# Altium PCB PCB1.PcbDoc (part 3 of 9) (continued)
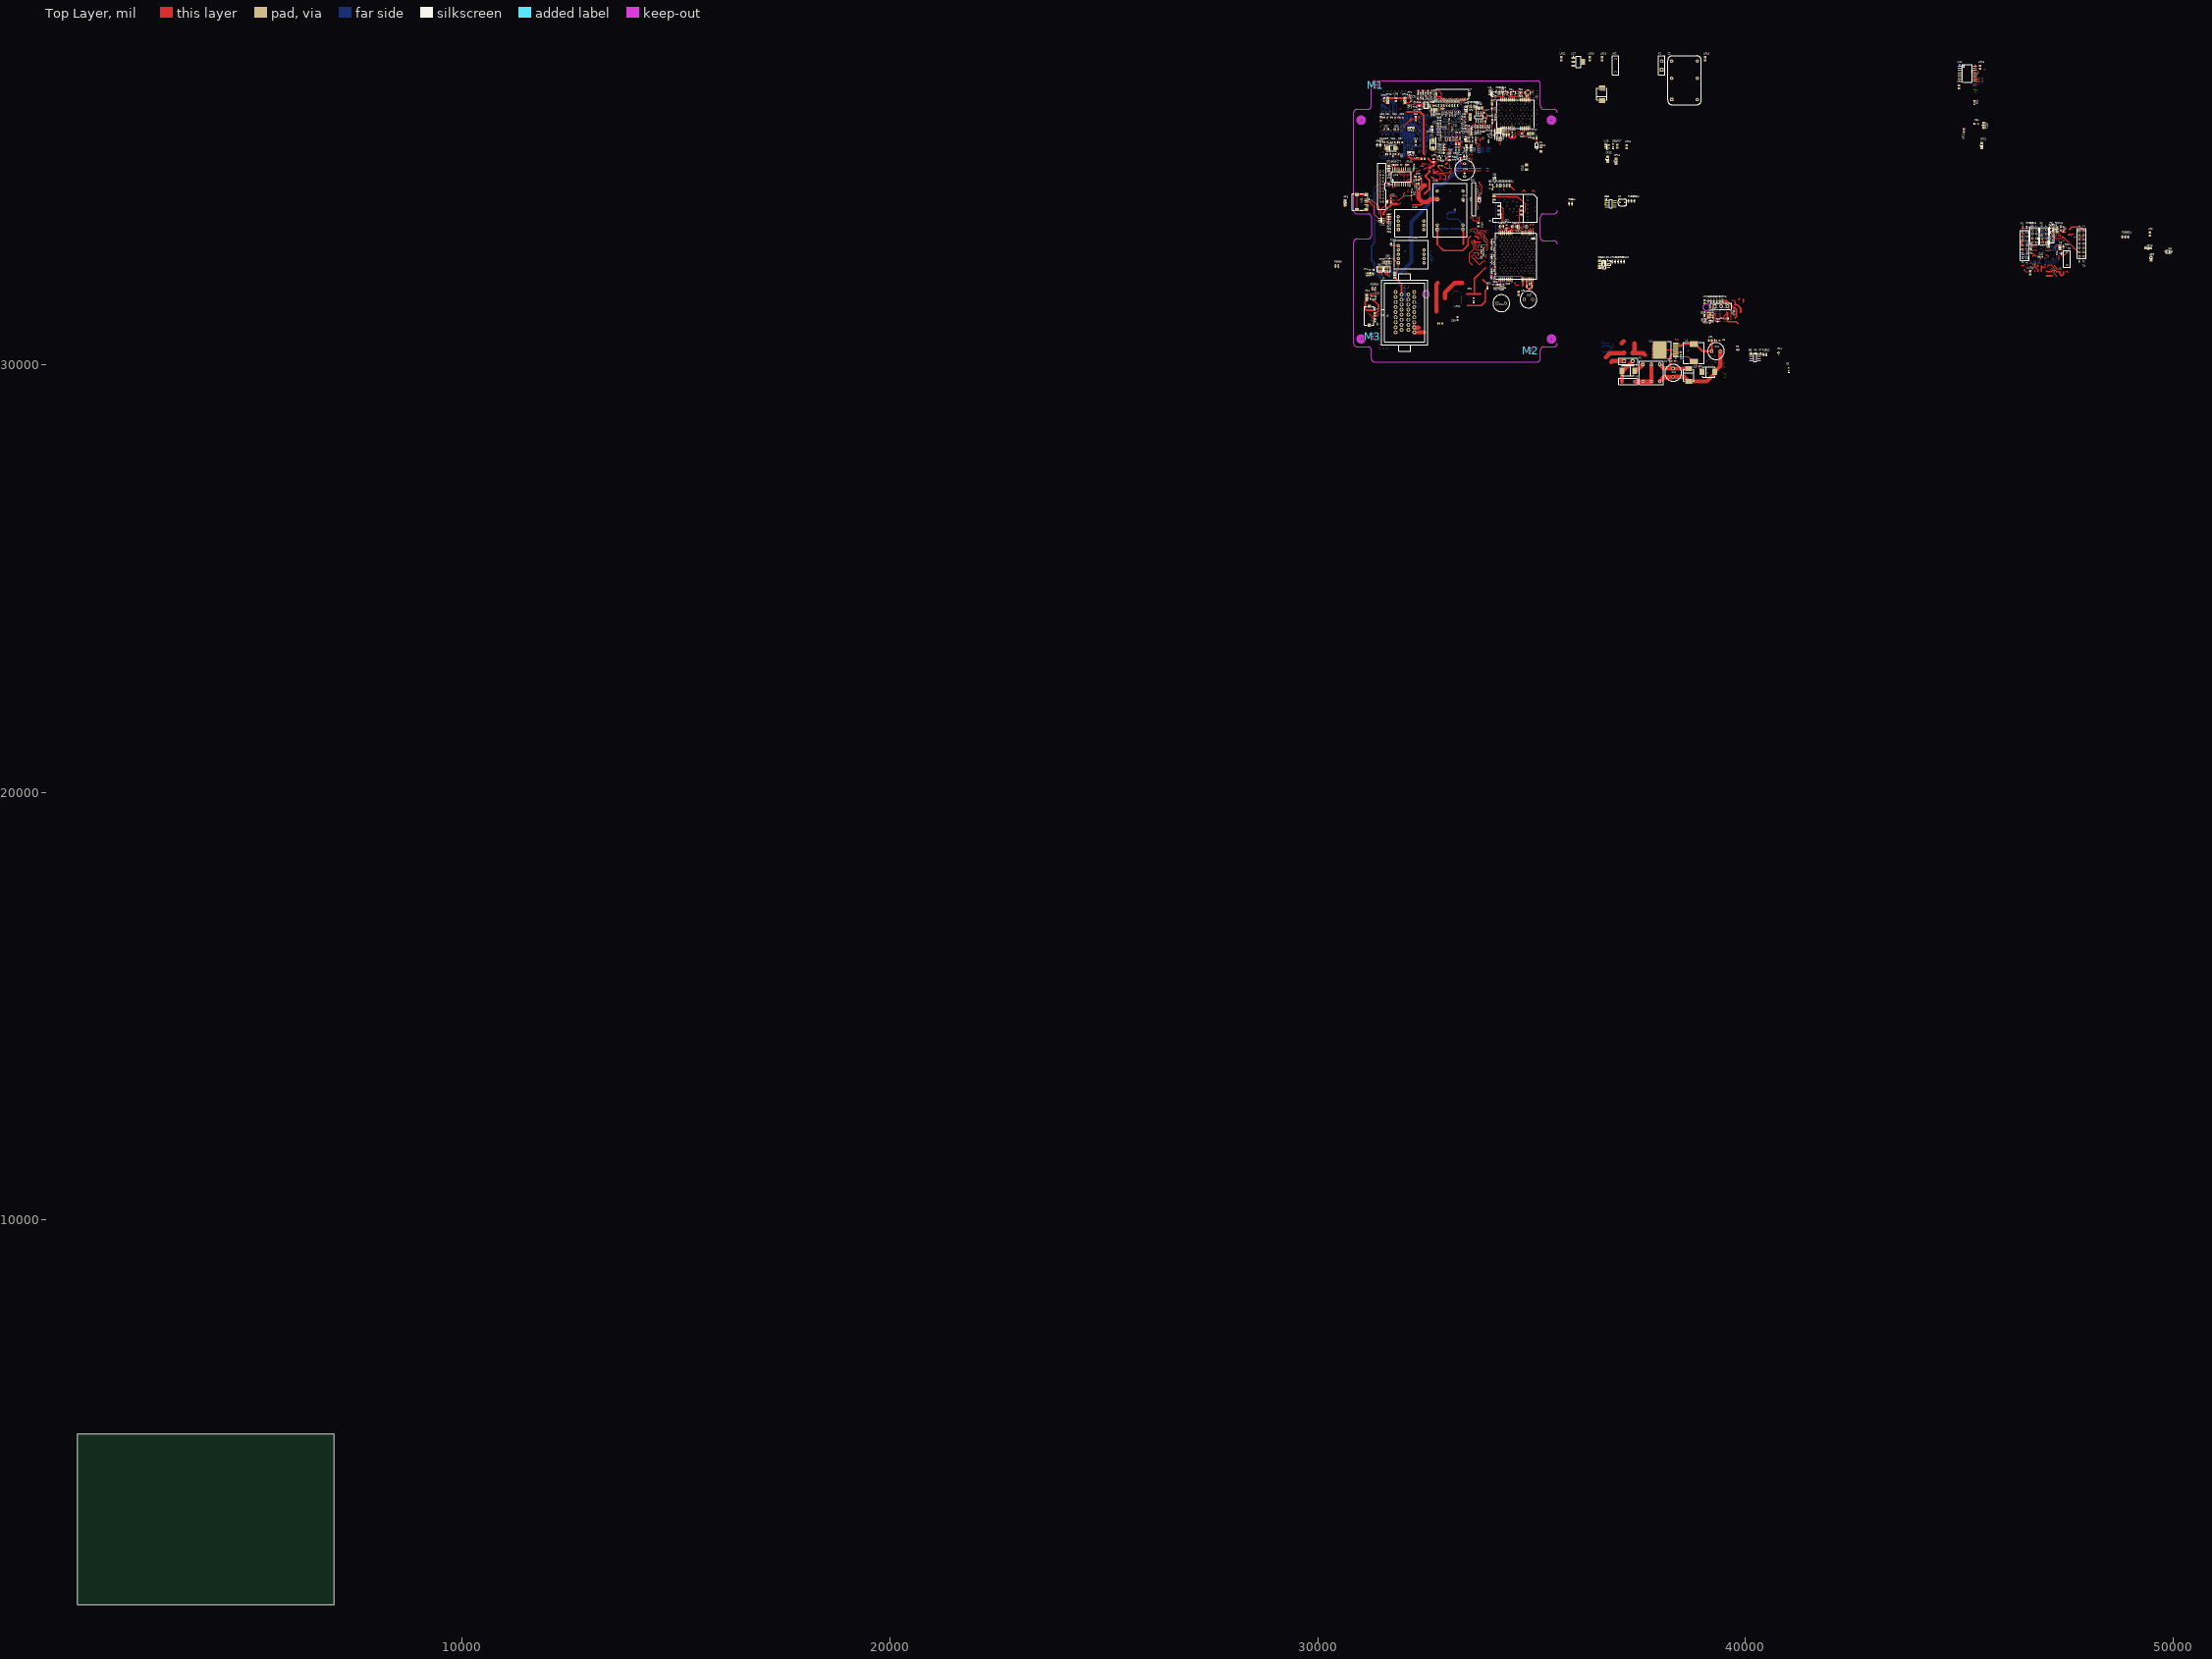
[diagram p0: Top Layer view]
## Nets (pads, with @x,y where several pads share a name; then routed paths per layer and width w, separated by ;. In a path a pad name is that pad's centre, name@x,y a point inside that pad or via, vN(x,y) a via of type N, cw(c..) or ccw(c..) an arc to the next point about the centre after c; other vN are vias at no path point) (continued)
; 34418.59,33271.79 v2(34418.59,33306.24) ; v2@34425.88,36403.1 ccw(c34417.35,36394.57) 34417.35,36406.64 ccw(c34417.35,36418.71) v2@34425.88,36410.17 ; 34435.32,36323.96 34484.53,36274.75 34665.64,36274.75 34711.9,36321.01 34713.87,36321.01 34786.66,36248.21 34786.66,36202.9 ; 34441.55,33205.85 cw(c34441.55,33190.42) v2@34452.46,33201.33 ; v2@34459.53,33201.33 cw(c34470.44,33190.42) 34470.44,33205.85 ; 34460.91,33087.74 34460.91,33134 34501.27,33174.35 34524.89,33174.35 34557.37,33206.83 34548.51,33206.83 34490.44,33264.91 ; 34504.22,33087.74 34504.22,33132.03 34529.81,33157.62 34671.54,33157.62 34717.8,33203.88 v2(34751.27,33203.88) ; 34540.64,36321.01 34540.64,36366.28 ; v2@34543.99,31940.69 ccw(c34535.46,31949.22) 34547.53,31949.22 ccw(c34559.6,31949.22) v2@34551.06,31940.69 ; v2(34547.53,31937.15) 34547.53,32005.06 ; 34557.37,33265.89 34599.69,33308.21 34675.48,33308.21 34717.8,33265.89 ; v2(34609.54,33229.47) 34643,33229.47 ; v2@34613.07,33225.94 cw(c34621.61,33217.4) 34621.61,33229.47 cw(c34621.61,33241.54) v2@34613.07,33233.01 ; 34615.44,36321.01 34646.94,36352.5 34739.46,36352.5 34770.95,36321.01 34829.97,36261.99 34829.97,36202.9 ; v2@34620.76,31916.88 cw(c34612.23,31908.35) 34624.3,31908.35 cw(c34636.37,31908.35) v2@34627.83,31916.88 ; 34624.3,31883.02 v2(34624.3,31920.42) ; 34625.28,31886.95 34640.05,31872.19 34704.02,31872.19 ; v2@34705.99,36254.98 cw(c34705.99,36242.91) 34714.53,36251.45 cw(c34723.06,36259.98) v2@34710.99,36259.98 ; v2(34705.99,36259.98) 34743.35,36222.62 34743.35,36202.9 ; 34711.9,36387.94 34696.15,36403.68 34578.04,36403.68 34540.64,36366.28 ; 34717.8,33255.06 34717.8,33265.89 ; v2@34747.73,33200.35 ccw(c34739.2,33191.81) 34739.2,33203.88 ccw(c34739.2,33215.95) v2@34747.73,33207.42 ; 34768,33714.91 34717.8,33664.71 34717.8,33265.89 ; 34843.79,35377.11 34911.7,35377.11 34916.62,35382.03 ; v2@34852.06,33162.94 cw(c34817.39,33128.27) 34866.43,33128.27 ; v2@34857.2,33161.74 cw(c34860.08,33153.25) 34866.42,33159.59 ; v2@34857.57,33168.45 34866.43,33159.59 34866.43,33087.74 ; v2@34859.13,33170.02 cw(c34841.53,33152.41) 34866.43,33152.41 ; 34899.89,33206.83 34899.89,33188.13 34953.04,33134.98 34953.04,33087.74 ; v2@34975.09,33292.87 cw(c34966.56,33284.33) 34978.63,33284.33 cw(c34990.7,33284.33) v2@34982.17,33292.87 ; 34978.63,33265.89 v2(34978.63,33296.4) ; v2@35036.12,33295.82 cw(c35027.58,33287.28) 35039.65,33287.28 cw(c35051.72,33287.28) v2@35043.19,33295.82 ; 35039.65,33265.89 v2(35039.65,33299.35) ; 38346.18,30616.08 38368.82,30593.44 38444.61,30593.44 ; 39024.83,31072.2 39035.66,31083.02 39035.66,31142.08 ; 39062.24,31220.82 39119.32,31163.73 39136.06,31163.73 ; 39083.89,31022 39083.89,31072.2 39092.75,31081.06 v2@39118.34,31081.06 ; v2(39098.65,31144.05) 39136.06,31144.05 39163.61,31144.05 39181.33,31161.76 ; 39101.52,31081.06 ccw(c39101.52,31099.85) v2@39114.8,31086.56 ; v2@39102.19,31140.51 cw(c39110.73,31131.98) 39110.73,31144.05 cw(c39110.73,31156.12) v2@39102.19,31147.58 ; v2@39118.34,31215.82 cw(c39118.34,31203.75) 39126.87,31212.28 cw(c39135.41,31220.82) v2@39123.34,31220.82 ; v2(39118.34,31220.82) 39136.06,31203.1 ; 39123.26,30987.55 39155.54,31019.83 39155.54,31022.98 ; 39136.06,31164.72 39137.04,31164.72 ; 39136.06,31183.42 39173.46,31183.42 39177.39,31179.48 ; v2(39151.8,31502.31) 39184.28,31502.31 ; v2@39155.34,31498.78 cw(c39163.87,31490.24) 39163.87,31502.31 cw(c39163.87,31514.39) v2@39155.34,31505.85 ; 39162.63,31117.47 39162.63,31089.91 39221.69,31030.86 39240.39,31030.86 ; 39162.63,31229.68 39162.63,31210.98 39186.25,31187.35 ; 39182.32,31117.47 39199.05,31117.47 v2(39199.05,31084.01) ; v2@39195.51,31087.54 ccw(c39186.98,31096.08) 39199.05,31096.08 ccw(c39211.12,31096.08) v2@39202.58,31087.54 ; 39221.69,31117.47 39323.06,31016.09 39325.03,31016.09 ; 39221.69,31229.68 39221.69,31239.52 39241.37,31259.2 39329.95,31259.2 ; 39248.26,31183.42 39270.9,31183.42 v2(39291.57,31162.75) 39314.21,31140.11 39327,31140.11 ; 39248.26,31203.1 39327.98,31203.1 ; v2@39286.57,31162.75 ccw(c39274.5,31162.75) 39283.03,31171.28 ccw(c39291.57,31179.82) v2@39291.57,31167.75 ; v2@39291.57,31157.75 cw(c39291.57,31145.68) 39300.1,31154.21 cw(c39308.64,31162.75) v2@39296.57,31162.75 ; 39327,31138.14 39330.94,31138.14 ; v2(45347.71,37008.7) 45404.8,37008.7 ; v2@45351.24,37005.17 cw(c45359.78,36996.63) 45359.78,37008.7 cw(c45359.78,37020.77) v2@45351.24,37012.24 ; 46451.2,32951.32 v2(46506.51,32951.32) ; 46451.2,33001.32 v2(46508.68,33001.32) ; 46451.2,33051.32 v2(46510.84,33051.32) ; 46451.2,33151.32 46493.52,33151.32 v2(46505.33,33163.13) ; 46451.2,33201.32 46554.35,33201.32 ; 46454.55,32717.67 cw(c46446.02,32709.13) 46458.09,32709.13 cw(c46470.16,32709.13) 46461.62,32717.67 ; 46458.09,32532.62 46461.63,32536.17 v2(46531.91,32536.17) ; 46458.09,32582.62 46460.25,32580.46 v2(46526,32580.46) ; 46458.09,32682.62 46458.09,32721.2 ; 46469.9,33101.13 46470.88,33100.14 v2(46515.17,33100.14) ; v2@46500.33,33163.13 cw(c46488.26,33163.13) 46496.8,33154.6 cw(c46505.33,33146.06) v2@46505.33,33158.13 ; v2@46502.98,32947.79 ccw(c46494.44,32939.25) 46494.44,32951.32 ccw(c46494.44,32963.39) v2@46502.98,32954.86 ; v2@46505.14,32997.79 ccw(c46496.61,32989.25) 46496.61,33001.32 ccw(c46496.61,33013.39) v2@46505.14,33004.86 ; v2@46507.31,33047.79 ccw(c46498.77,33039.25) 46498.77,33051.32 ccw(c46498.77,33063.39) v2@46507.31,33054.86 ; v2@46511.64,33096.61 ccw(c46503.1,33088.07) 46503.1,33100.14 ccw(c46503.1,33112.21) v2@46511.64,33103.68 ; v2@46522.46,32576.92 ccw(c46513.93,32568.39) 46513.93,32580.46 ccw(c46513.93,32592.53) v2@46522.46,32583.99 ; v2@46524.03,32220.14 cw(c46524.03,32208.07) 46532.57,32216.61 cw(c46541.1,32225.14) v2@46529.03,32225.14 ; v2(46524.03,32225.14) 46562.42,32186.76 46589.98,32186.76 ; v2@46528.37,32532.63 ccw(c46519.83,32524.09) 46519.83,32536.17 ccw(c46519.83,32548.24) v2@46528.37,32539.7 ; v2@46547.65,33154.28 v2(46549.62,33152.31) 46550.61,33151.32 46587.02,33151.32 ; v2@46553.16,33155.84 ccw(c46564.07,33166.75) 46564.07,33151.32 ; v2@46593.33,32266.08 ccw(c46577.67,32281.74) 46599.82,32281.74 ; v2@46597.85,32259.59 46599.82,32261.56 46599.82,32294.04 ; v2@46642.54,33184.21 cw(c46634.01,33175.67) 46646.08,33175.67 cw(c46658.15,33175.67) v2@46649.61,33184.21 ; v2@46642.54,33191.28 ccw(c46634.01,33199.81) 46646.08,33199.81 ccw(c46658.15,33199.81) v2@46649.61,33191.28 ; 46646.08,33228.09 v2(46646.08,33187.74) 46646.08,33151.32 46646.08,33145.42 46651,33140.5 ; v2(46647.06,32763.53) 46678.56,32763.53 46681.51,32766.48 ; v2@46650.6,32759.99 cw(c46659.13,32751.46) 46659.13,32763.53 cw(c46659.13,32775.6) v2@46650.6,32767.06 ; v2@46651.98,32719.16 cw(c46651.98,32707.09) 46660.52,32715.62 cw(c46669.06,32724.16) v2@46656.98,32724.16 ; v2(46651.98,32724.16) 46681.51,32694.63 46681.51,32682.82 ; 46664.78,32186.76 46672.65,32194.63 ; 46670.68,32196.6 46741.55,32267.46 v2(46741.55,32360.97) ; v2@46717.93,33105.06 46733.68,33120.81 ; v2@46723.91,33103.09 cw(c46743.11,33103.09) 46729.54,33116.67 ; v2@46738.02,32357.43 cw(c46729.48,32348.9) 46741.55,32348.9 cw(c46753.62,32348.9) v2@46745.09,32357.43 ; v2@46771.48,32224.56 cw(c46762.94,32216.02) 46775.02,32216.02 cw(c46787.09,32216.02) v2@46778.55,32224.56 ; v2@46772.46,32383.02 cw(c46763.93,32374.49) 46776,32374.49 cw(c46788.07,32374.49) v2@46779.54,32383.02 ; 46775.02,32184.79 v2(46775.02,32228.09) ; v2(46776,32386.56) 46776,32288.13 46852.77,32211.36 46852.77,32181.83 ; 46849.82,32184.79 46849.82,32200.54 ; 46851.79,32315.69 46848.83,32318.65 46854.74,32318.65 ; v2@46870.89,32988.34 cw(c46862.35,32979.8) 46874.43,32979.8 cw(c46886.5,32979.8) v2@46877.96,32988.34 ; 46874.43,32953.49 v2(46874.43,32991.87) ; v2@46890.57,32500.33 ccw(c46882.04,32508.87) 46894.11,32508.87 ccw(c46906.18,32508.87) v2@46897.65,32500.33 ; v2(46894.11,32496.8) 46894.11,32533.21 ; v2(46911.83,32985.97) 46911.83,32983.02 46941.35,32953.49 ; v2@46916.83,32985.97 ccw(c46936.03,32985.97) 46922.45,32972.39 ; 46925.61,32318.65 46963.01,32281.24 47019.11,32281.24 47019.11,32340.3 47025.02,32346.2 ; v2(46928.56,32502.7) 46930.53,32502.7 46961.04,32533.21 ; v2@46928.56,32507.7 ccw(c46928.56,32524.52) 46940.45,32512.63 ; v2(47033.87,32677.9) 47086.04,32677.9 47092.93,32684.79 v2(47140.17,32684.79) ; v2@47037.41,32674.36 cw(c47045.95,32665.83) 47045.95,32677.9 cw(c47045.95,32689.97) v2@47037.41,32681.43 ; 47086.04,32281.24 47084.07,32283.21 47084.07,32346.2 47151,32346.2 47151,32339.32 47228.76,32261.56 47228.76,32226.13 47241.55,32213.33 47276,32213.33 ; 47087.02,32775.34 47098.83,32763.53 v2(47139.19,32763.53) ; 47087.02,32885.57 v2(47130.33,32842.27) ; v2(47090.96,33120.81) 47128.36,33120.81 ; v2@47094.5,33117.28 cw(c47103.03,33108.74) 47103.03,33120.81 cw(c47103.03,33132.88) v2@47094.5,33124.35 ; v2@47124.83,33219.64 cw(c47116.29,33211.1) 47128.36,33211.1 cw(c47140.43,33211.1) v2@47131.9,33219.64 ; v2@47125.33,32842.27 ccw(c47113.26,32842.27) 47121.8,32850.8 ccw(c47130.33,32859.34) v2@47130.33,32847.27 ; 47128.36,33115.89 47128.36,33099.16 47262.22,32965.3 47406.91,32965.3 47416.75,32975.14 47416.75,33004.67 47785.84,32635.57 47818.32,32635.57 ; 47128.36,33187.74 v2(47128.36,33223.17) ; 47132.3,33121.8 47140.17,33129.67 47201.2,33129.67 ; v2@47135.65,32759.99 ccw(c47127.12,32751.46) 47127.12,32763.53 ccw(c47127.12,32775.6) v2@47135.65,32767.06 ; v2@47136.64,32681.25 ccw(c47128.1,32672.72) 47128.1,32684.79 ccw(c47128.1,32696.86) v2@47136.64,32688.32 ; v2(47138.2,32250.73) 47181.51,32250.73 ; v2@47141.74,32247.2 cw(c47150.28,32238.66) 47150.28,32250.73 cw(c47150.28,32262.8) v2@47141.74,32254.27 ; v2(47248.44,32753.69) 47296.67,32801.91 47358.68,32801.91 47426.59,32801.91 47440.37,32788.13 ; v2@47248.44,32758.68 ccw(c47248.44,32770.76) 47256.98,32762.22 ccw(c47265.51,32753.69) v2@47253.44,32753.69 ; v2@47261.64,33020.02 ccw(c47253.1,33028.55) 47265.17,33028.55 ccw(c47277.24,33028.55) v2@47268.71,33020.02 ; 47264.19,33129.67 47269.11,33134.59 47341.94,33134.59 47341.94,33004.67 ; v2(47265.17,33016.48) 47265.17,33051.91 ; v2(47300.61,32901.32) 47333.09,32901.32 47341.94,32910.18 ; v2@47304.14,32897.79 cw(c47312.68,32889.25) 47312.68,32901.32 cw(c47312.68,32913.39) v2@47304.14,32904.86 ; v2@47333.09,33186.76 47350.8,33186.76 47383.28,33154.28 47383.28,33138.53 47422.65,33099.16 47476.79,33099.16 47495.49,33117.86 ; v2@47335.64,33191.28 ccw(c47346.55,33202.19) 47346.55,33186.76 ; 47336.04,32474.16 47336.04,32571.6 47339.98,32575.53 ; v2@47340.96,32730.97 cw(c47340.96,32718.9) 47349.5,32727.43 cw(c47358.03,32735.97) v2@47345.96,32735.97 ; v2(47340.96,32735.97) 47358.68,32718.25 47358.68,32703.49 47414.78,32703.49 47440.37,32729.08 ; 47400.02,32574.55 47466.55,32574.55 47526,32634 ; 47416.75,32910.18 v2(47455.13,32910.18) ; v2@47451.6,32906.65 ccw(c47443.06,32898.11) 47443.06,32910.18 ccw(c47443.06,32922.25) v2@47451.6,32913.72
  Top Layer w12: 31811.28,34583.65 31811.28,34680.69 31878.21,34680.69 ; 32119.38,36307.23 32119.38,36253.09 32124.3,36248.17 ; v2@32234.54,34408.48 ccw(c32234.54,34424.81) 32246.08,34413.26 ; v2(32234.54,34416.48) 32249.3,34416.48 32319.16,34486.34 32319.16,34541.91 32377.23,34541.91 32407.74,34572.42 ; v2@32234.54,34420.48 ccw(c32234.54,34465.78) 32266.57,34433.75 ; 32752.23,34498.61 32801.44,34449.39 32824.08,34449.39 ; 32780.86,35876.28 v1(32826.75,35876.28) ; 32803.86,35899.28 v1(32826.75,35899.28) ; 32805.86,35851.28 v1(32826.75,35851.28) ; v4@32936.14,36248.99 cw(c32926.59,36239.44) 32940.09,36239.44 ; 32940.09,36205.72 v4@32940.09,36249.99 ; 32940.09,36238.69 cw(c32954.65,36238.69) v4@32944.35,36248.99 ; 33068.17,34419.87 33132.15,34483.84 33132.15,34594.08 33121.32,34604.91 33098.71,34604.91 33095.73,34604.91 ; 33378.24,35104.47 33380.2,35102.5 v2(33380.2,35058.21) ; 33466.79,35229.91 33555.38,35229.91 ; 33466.79,35328.33 33548.49,35328.33 ; 33550.46,34814.11 ccw(c33568.19,34814.11) v2@33555.65,34801.57 ; v2(33561.31,34807.23) 33550.46,34818.08 33550.46,34843.1 ccw(c33597.16,34843.08) v2@33564.14,34810.06 ; v2(33573.12,34752.11) 33613.45,34792.44 33613.45,34843.1 ; v2(33586.5,33105.06) 33586.5,33145.81 33586.5,33175.93 33604.61,33194.04 33714.85,33194.04 33731.19,33177.7 33731.19,33145.81 33731.19,33125.54 33756.19,33100.54 33843.79,33100.54 33896.94,33047.39 33896.94,32902.7 33904.81,32894.83 33933.35,32894.83 v2(33933.35,32862.35) ; 33586.5,33421.4 v2(33586.5,33462.35) ; 33617.41,35496.2 33617.41,35561.17 33617.41,35619.24 v2(33646.94,35619.24) ; 33618.4,35561.17 v2(33649.88,35561.17) ; 33636.5,33145.81 33707.37,33074.94 33782.76,33074.94 33838.86,33018.84 33838.86,32950.93 ; 33654.42,32559.2 33654.42,32611.95 33668.59,32626.13 33739.46,32626.13 33754.42,32611.17 33754.42,32559.2 ; 33731.19,33421.4 v2(33731.19,33461.17) ; 33754.42,32748.17 33754.42,32798.57 33773.91,32818.06 33933.35,32818.06 33971.74,32818.06 33972.72,32819.04 ; 33764.06,32950.93 33773.91,32960.77 33773.91,33024.75 ; 33781.19,33145.81 33885.13,33145.81 33933.35,33097.58 ; 33855.55,35704.09 33924.25,35704.09 33925.23,35705.08 ; v2@33897.8,32752.23 cw(c33914.13,32735.9) 33914.13,32759 ; v2@33897.92,32754.08 33902.84,32759 33933.35,32759 ; 33933.35,33016.87 33933.35,32953.88 33948.12,32953.88 33972.72,32929.28 33972.72,32819.04 ; 33937.29,32673.37 33972.72,32708.8 33972.72,32819.04 ; 33954,33134.98 33954,33156.64 ; 34074.1,32077.9 34074.1,32150.38 34075.09,32151.36 ; 34075.09,32238.37 34075.09,32257.03 v2(34108.55,32290.5) ; 34075.09,32579.98 34075.09,32592.66 v2(34110.52,32628.09) ; 34075.09,32755.06 34075.09,32834.59 ; 34075.09,32921.6 34075.09,32930.26 v2(34109.54,32964.71) ; 34076.07,32424.35 34076.07,32491.99 ; 34236.5,33614.91 34236.5,33602.5 v2(34264.06,33574.94) 34305.4,33533.61 34305.4,33305.26 34266.03,33265.89 ; 34287.69,31817.99 34287.69,32005.06 ; 34348.71,31881.05 34364.46,31881.05 34384.14,31861.36 ; v2(34460.91,31940.1) 34460.91,32005.06 ; v2(34504.22,31937.15) 34504.22,32005.06 ; v2(34643,33182.23) 34643,33203.88 ; 34643,33255.06 v2(34643,33280.65) ; 34717.8,33229.47 34718.21,33229.88 34756.19,33229.88 34767.16,33240.85 34769.09,33240.85 ; 34978.63,33206.83 34978.63,33166.48 34996.35,33148.76 34996.35,33087.74 ; 35039.65,33087.74 35039.65,33206.83 ; 39334.94,31502.31 39347.67,31515.05 ; 39385.07,31261.17 v2(39412.63,31261.17) ; 39386.06,31140.11 v2(39415.58,31140.11) ; 39386.06,31199.17 v2(39413.61,31199.17) ; v2(39476.61,31063.34) 39498.26,31084.99 39516.96,31084.99 ; v2(39492.35,31017.08) 39525.82,31017.08 ; 39684.28,31521.02 39741.37,31521.02 39763.02,31499.36 ; v2@46809.46,32340.3 46833.09,32340.3 46854.74,32318.65 ; v2(46811.43,32296.01) 46839.98,32296.01 46845.88,32301.91 ; v2@46814.26,32344.11 ccw(c46823.47,32353.32) 46823.47,32340.3
  Top Layer w20: 31125.28,31635.97 v4(31125.28,31681.24) ; v1(31128.24,32106.44) 31153.83,32106.44 ; v1(31128.24,32134) 31179.42,32134 ; v1(31128.24,32159.59) 31154.81,32159.59 ; 31140.05,33808.21 31212.79,33808.21 31321.15,33699.86 31321.15,33521.8 v2(31401.86,33441.09) 31420.12,33422.82 31449.08,33422.82 ; 31140.05,33839.71 31233.44,33839.71 v2(31275.3,33797.85) ; 31140.05,33871.2 31261.11,33871.2 31435.3,33697.02 31435.3,33523.21 ; 31150.87,31628.09 31150.87,31629.08 v4(31150.87,31681.24) ; 31173.51,31631.05 31179.42,31636.95 v4(31179.42,31681.24) ; v1(31192.21,32224.55) 31224.69,32224.55 ; 31344.77,32274.75 31407.43,32274.75 31575.74,32274.75 31679.42,32274.75 31681.39,32272.78 ; v2(31395.95,33375.14) 31423.51,33347.58 31455.01,33347.58 ; 31449.08,33385.42 31483,33385.42 31490.44,33392.86 31490.44,33634 31627.25,33770.81 31627.25,33818.06 31669.57,33860.38 31810.32,33860.38 31811.31,33859.39 ; 31463.53,33902.37 31463.53,33979.83 31463.53,34058.57 31463.53,34137.31 31463.53,34216.05 31463.53,34294.79 31463.53,34373.53 31463.53,34452.27 31463.53,34531.01 ; 31475.3,35206.3 v1(31475.3,35241.73) ; v1(31478.3,35823.73) 31478.3,35782.2 31482.75,35777.75 ; v1(31538.29,35241.74) 31538.29,35239.28 31570.28,35207.28 ; v1@31540.29,35481.83 cw(c31565.55,35481.83) 31547.69,35499.69 ; v1@31540.29,35823.74 ccw(c31555.9,35823.74) 31544.86,35812.71 ; v1(31541.29,35823.74) 31541.29,35816.28 31570.28,35787.28 ; v1@31541.62,35481.44 31541.62,35493.62 31567.28,35519.28 ; 31543.57,33385.42 v1(31580.56,33385.42) ; v2(31555.84,35041.05) 31600.24,35041.05 31603.63,35044.43 ; v2(31555.84,35071.44) 31615.99,35071.44 ; v2(31555.84,35100.97) 31593.35,35100.97 ; 31562.29,36163.53 31589.85,36135.97 31640.05,36135.97 v1(31640.05,36090.69) ; v1(31614.46,36090.69) 31614.46,36123.17 ; v1(31615.99,34518.29) 31639.61,34518.29 ; v1(31615.99,34565.65) 31633.59,34565.65 ; v1(31632.78,34897.25) 31632.78,34932.78 ; v1(31632.78,35242.32) 31632.78,35208.2 31635.13,35205.85 ; v1(31635.78,35479.32) 31635.78,35517.72 ; 31641.06,34659.57 v4(31641.06,34701.89) ; v1(31664.65,36090.69) 31664.65,36133.02 ; v4(31667.58,34701.89) 31667.58,34651.17 31724.47,34651.17 31752.23,34623.41 31752.23,34680.69 ; 31678.41,34381.48 v1(31711.46,34381.48) ; 31678.41,34448.41 31757.94,34527.94 31757.94,34580.3 31757.94,34617.7 ; 31688.28,33927.31 v1(31688.28,33964.71) ; 31693.22,34664.54 v4(31693.22,34701.89) ; 31695.14,33349 v1(31728.2,33349) ; 31721.74,32855.46 v4(31756.19,32855.46) ; v1@31727.65,35242.27 31744.28,35207.28 31741.96,35207.28 ; v1@31729.27,35823.76 ccw(c31761.77,35823.76) 31738.79,35800.78 ; v1@31729.49,35824.4 ccw(c31738.24,35817.28) 31730.27,35809.3 ; v1(31730.27,35823.76) 31730.27,35809.3 ; 31752.28,35787.28 31730.27,35809.3 ; 31813.28,36248.17 v2(31813.28,36280.65) ; v1(31821.75,34896.29) 31821.75,34926.76 ; 31822.11,35071.44 v1(31887.89,35071.44) ; 31824.28,35518.78 31824.75,35518.31 v1(31824.75,35480.29) ; 31834.93,36240.3 v2(31834.93,36280.65) ; 31837.09,35100.72 v1(31887.89,35100.72) ; 31847.54,35040.69 v1(31887.89,35040.69) ; 31853.6,33766.32 31921.98,33766.32 v2@31934.34,33778.68 ; 31855.6,36251.13 v2(31855.6,36280.65) ; v1(31884.75,35240.28) 31884.75,35236.82 31914.28,35207.28 ; v1(31887.75,35479.28) 31889.06,35480.6 31889.06,35528.68 ; v1(31887.75,35824.28) 31888.28,35824.28 31925.28,35787.28 ; 31903.51,33766.32 ccw(c31903.51,33808.53) v2(31933.35,33778.68) ; v1(32022.92,36088.72) 32022.92,36125.14 ; v1(32045.56,36088.72) 32045.56,36136.95 32148.91,36136.95 32175.48,36163.53 ; 32045.56,36247.19 32158.75,36247.19 32175.48,36230.46 ; 32065.24,36123.17 32070.17,36118.25 v1(32070.17,36088.72) ; v2@32079.02,34959.79 32122.33,34959.79 32123.32,34960.77 ; v1(32079.75,34934.28) 32110.61,34934.28 ; v1(32079.75,34984.28) 32102.75,34984.28 ; v1(32079.75,35515.28) 32102.63,35515.28 ; v1(32079.75,35539.28) 32126.63,35539.28 ; v1(32079.75,35562.28) 32103.63,35562.28 ; 32119.35,34682.66 v4(32149.46,34682.66) ; v2(32119.38,36043.45) 32119.38,36073.96 ; 32120.34,34046.84 v1(32120.34,34080.82) ; v1(32157.94,34163.7) 32157.94,34222.03 ; 32293.75,35210.75 v1@32293.75,35242.11 ; v1@32293.76,35240.84 v1(32294.19,35240.84) ; v1@32297.19,35816.27 v1(32297.19,35823.84) ; 32353.6,36415.85 v4(32405.8,36415.85) 32461.9,36415.85 v4(32523.91,36415.85) 32581.98,36415.85 ; v1(32656.23,34399.31) 32677.88,34399.31 32704.02,34373.17 ; v4(32670.56,36336.76) 32670.56,36367.27 ; 32673.51,36266.87 v1(32673.51,36292.46) ; v1(32675.89,34882.03) v1(32711.9,34918.04) v1(32749.01,34955.15) v1(32777.27,34983.41) 32700.06,35060.62 ; v1(33142.02,35273.76) 33156.35,35259.43 33175.46,35259.43 ; 33225.24,35086.21 33235.49,35086.21 ; 33257.15,34883.02 33257.15,34835.8 33383.16,34709.79 33439.26,34709.79 ; 33259.27,35098.7 33246.35,35085.77 33300.48,35085.77 33301.46,35086.76 ; v1@33298.51,35374.16 33304.42,35374.16 33345.76,35332.82 33345.76,35123.17 33307.37,35084.79 ; 33322.47,35437.22 33320.14,35439.55 33363.04,35439.55 v1(33362.6,35439.12) ; 33339.83,34845.62 33484.94,34845.62 33487.46,34843.1 ; 33339.83,34920.42 v1(33383.16,34920.42) 33395.95,34920.42 ; v1@33382.54,34921.2 cw(c33388.8,34913.27) 33395.95,34920.42 ; v1@33383.16,34921.42 cw(c33383.16,34892.94) 33403.29,34913.08 ; 33414.65,34901.72 33395.95,34920.42 ; v2(33445.17,35876.13) 33445.17,35912.54 ; 33457.41,35131.6 v2(33457.41,35174.79) ; v2(33471.74,35876.13) 33471.74,35926.32 ; 33471.74,36036.56 v1(33519.97,36036.56) ; 33481.56,35127.54 v4(33481.56,35174.79) ; 33482.57,36013.92 v1(33519.97,36013.92) ; 33483.55,36059.2 v1(33519.97,36059.2) ; v2(33498.31,35876.13) 33498.31,35908.61 ; v1(33542.61,35696.01) 33542.61,35748.17 33555.4,35760.97 ; 33545.56,35858.41 v2(33545.56,35903.69) ; v2(33569.18,35903.69) 33569.18,35857.43 33569.18,35844.63 33571.15,35842.66 ; 33570.23,35135.9 v2(33570.23,35178.46) ; 33593.76,35137.96 v4(33593.76,35178.73) ; 33593.79,35862.35 v2(33593.79,35903.69) ; v1(33595.76,35696.01) 33595.76,35741.28 ; 33604.42,32559.2 33604.42,32521.01 33780.8,32344.63 ; v1(33622.3,35278.71) 33622.3,35321.44 ; 33622.33,35132.03 v2(33622.33,35179.28) ; v1(33622.3,35278.71) 33623.29,35277.73 33623.29,35230.89 ; v4(33636.5,33465.3) 33636.5,33421.4 33636.5,33384.59 33649.89,33371.2 33773.91,33371.2 33781.19,33378.49 33781.19,33421.4 v4(33781.19,33477.11) ; 33665.64,32856.44 33704.42,32817.66 33704.42,32748.17 33704.42,32703.49 33725.68,32682.23 33825.09,32682.23 33834.93,32692.07 ; v1(33678.65,35985.59) 33705.55,35985.59 ; v1(33678.65,36033.82) 33717.03,36033.82 ; 33704.42,32559.2 33704.42,32517.46 33730.6,32491.28 33785.72,32491.28 33832.96,32538.53 ; 33705.55,35987.36 33713.64,35995.45 ; 33708.94,35326.91 v1(33759.14,35326.91) ; 33720.76,35988.33 33718.02,35985.59 33705.55,35985.59 ; 33727.65,35279.67 v1(33759.14,35279.67) ; v1(33742.41,34173.37) 33780.8,34173.37 ; v4(33744.38,35511.95) 33744.38,35546.61 ; 33755.2,32591.68 33768.98,32605.46 v2(33798.51,32605.46) 33832.96,32605.46 ; 33785.72,32344.63 33877.25,32436.17 33924.5,32436.17 ; 33806.39,35218.45 33806.39,35277.7 33830.99,35302.31 v4(33877.25,35302.31) ; 33832.96,32752.11 v2(33832.96,32784.59) ; 33838.62,36010.2 33838.62,35987.59 33969.16,35857.06 33969.16,35749 33925.23,35705.08 ; 33843.57,36035.36 v4(33888.85,36035.36) ; 33847.72,35986.36 33851.45,35982.64 v4(33888.85,35982.64) ; 33849.48,36010.2 v4(33888.85,36010.2) ; 33851.66,35277.7 v4(33877.25,35277.7) ; 33851.66,35326.91 v4(33877.25,35326.91) ; 33862.98,35540.52 ccw(c33901.88,35540.52) v4@33874.37,35513.01 ; 33862.98,35546.61 33862.98,35521.85 v4(33873.09,35511.73) ; v1(33925.23,35806.98) 33925.23,35772.01 33855.55,35841.69 33855.55,35893.07 33805.55,35893.07 33755.55,35893.07 33705.55,35893.07 33705.55,35985.59 ; 34074.1,32018.84 34122.15,32018.84 34187.11,32083.8 ; 34079.02,36337.74 34081.98,36334.79 34081.98,36177.5 ; v2(34080.01,31881.05) 34117.41,31881.05 ; 34081.98,32698.96 34094.22,32698.96 34147.92,32645.26 34147.92,32122.99 34187.11,32083.8 ; 34081.98,36090.5 34081.98,36023.76 34082.96,36022.78 ; 34082.96,35862.5 v2(34082.96,35908.61) 34082.96,35963.72 ; 34087.88,32367.27 34139.06,32316.09 ; 34128.24,33943.25 34674.3,33943.25 34855.6,33761.95 34855.6,33602.5 34768,33514.91 ; 34471.74,35385.97 34484.54,35398.76 ; 34547.53,33087.74 v2(34577.06,33087.74) 34690.24,33087.74 34812.29,33209.79 34812.29,33465.69 34769.97,33508.02 ; v2(34800.48,34050.34) 34800.48,34076.91 ; 34801.46,32024.75 34798.51,32027.7 34798.51,32058.21 34772.92,32083.8 34187.11,32083.8 ; v1(34825.09,34050.34) 34825.09,34099.55 ; v2(34846.74,34050.34) 34846.74,34086.76 ; 34863.47,32003.09 34865.93,32005.56 ; 34953.04,32005.06 34953.04,31882.03 34954.02,31881.05 ; 34996.35,32005.06 35027.84,32005.06 ; 35013.08,31993.25 35013.08,32003.09 ; 35025.87,35413.53 v2(35073.12,35413.53) ; 35030.8,35388.92 v2(35073.12,35388.92) ; v2(35031.78,34053.29) 35031.78,34082.82 ; 35035.72,35439.12 v2(35073.12,35439.12) ; v1(35053.43,34053.29) 35053.43,34100.54 ; 35073.12,34080.85 35076.07,34077.9 v2(35076.07,34053.29) ; 38241.85,30091.47 38242.84,30091.47 38280.24,30091.47 ; 38374.17,30500.65 v2(38459.09,30500.65) ; 39386.06,31022 v2(39414.6,31022) ; 39393.99,31502.31 39397.93,31498.38 v5@39449.05,31498.38 ; 39397.36,30576.71 v2(39432.8,30576.71) ; 39407.51,31498.38 cw(c39407.51,31458.8) v5@39435.49,31486.79 ; 39412.26,31498.38 ccw(c39412.26,31531.23) v5@39435.49,31508 ; v2(39739.4,31147.98) 39739.4,31177.51 ; v1(45292.59,36843.35) 45317.2,36843.35 ; v1(45292.59,36899.45) 45317.2,36899.45 ; v1(45318.18,36740) 45411.69,36740 ; v4(45342.98,36540) 45411.69,36540 ; v2(45349.28,36590) 45411.69,36590 ; v1(45350.46,36440) 45411.69,36440 ; 45418.57,36793.15 v4@45451.06,36825.63 ; 45439.56,36814.14 cw(c45451.06,36802.64) v4@45451.06,36818.9 ; v4(45451.06,36820.71) v4@45451.06,36825.63 ; 45451.06,36871.89 v4@45451.06,36825.63 ; 46458.09,32632.62 46500.41,32632.62 v2(46518.13,32650.34) ; v2(46681.51,32583.41) 46681.51,32615.89 46713.99,32615.89 46740.57,32589.31 ; v2(46735.65,32531.24) 46735.65,32576.52 ; v2(46761.24,32531.24) 46761.24,32578.49 ; v2(46786.83,32531.24) 46786.83,32578.49 ; v2(46811.43,32318.65) 46848.83,32318.65 ; v2(47032.89,32567.66) 47086.04,32567.66 v2(47086.04,32522.39) ; v1(47144.11,32213.33) 47181.51,32213.33 47209.07,32213.33 47228.76,32193.65 47228.76,32134.59 47280.92,32082.43 ; 47201.2,33188.72 47232.69,33188.72 ; 47210.06,32346.2 47276,32280.26 47276,32250.73 v1(47325.21,32250.73) 47356.71,32250.73 47359.66,32247.78 ; v2(47232.69,33214.31) 47232.69,33188.72 ; 47264.19,33188.72 47232.69,33188.72 ; v1(47359.66,32276.32) 47359.66,32247.78 ; v1(47393.13,32247.78) 47359.66,32247.78 ; v2(47558.48,33010.57) 47558.48,33048.96 ; v2(47584.07,33010.57) 47584.07,33059.79 ; 47589.98,33059.79 47590.96,33060.77 47678.56,33060.77 ; 47593.91,33056.83 47611.63,33039.12 v2(47611.63,33010.57) ; 47678.56,33001.72 47732.69,33001.72 47747.46,32986.95 ; 47748.44,32987.94 47865.57,32987.94 47915.76,33038.13